# Altium PCB NAVISMINI.PcbDoc (part 2 of 3) (continued)
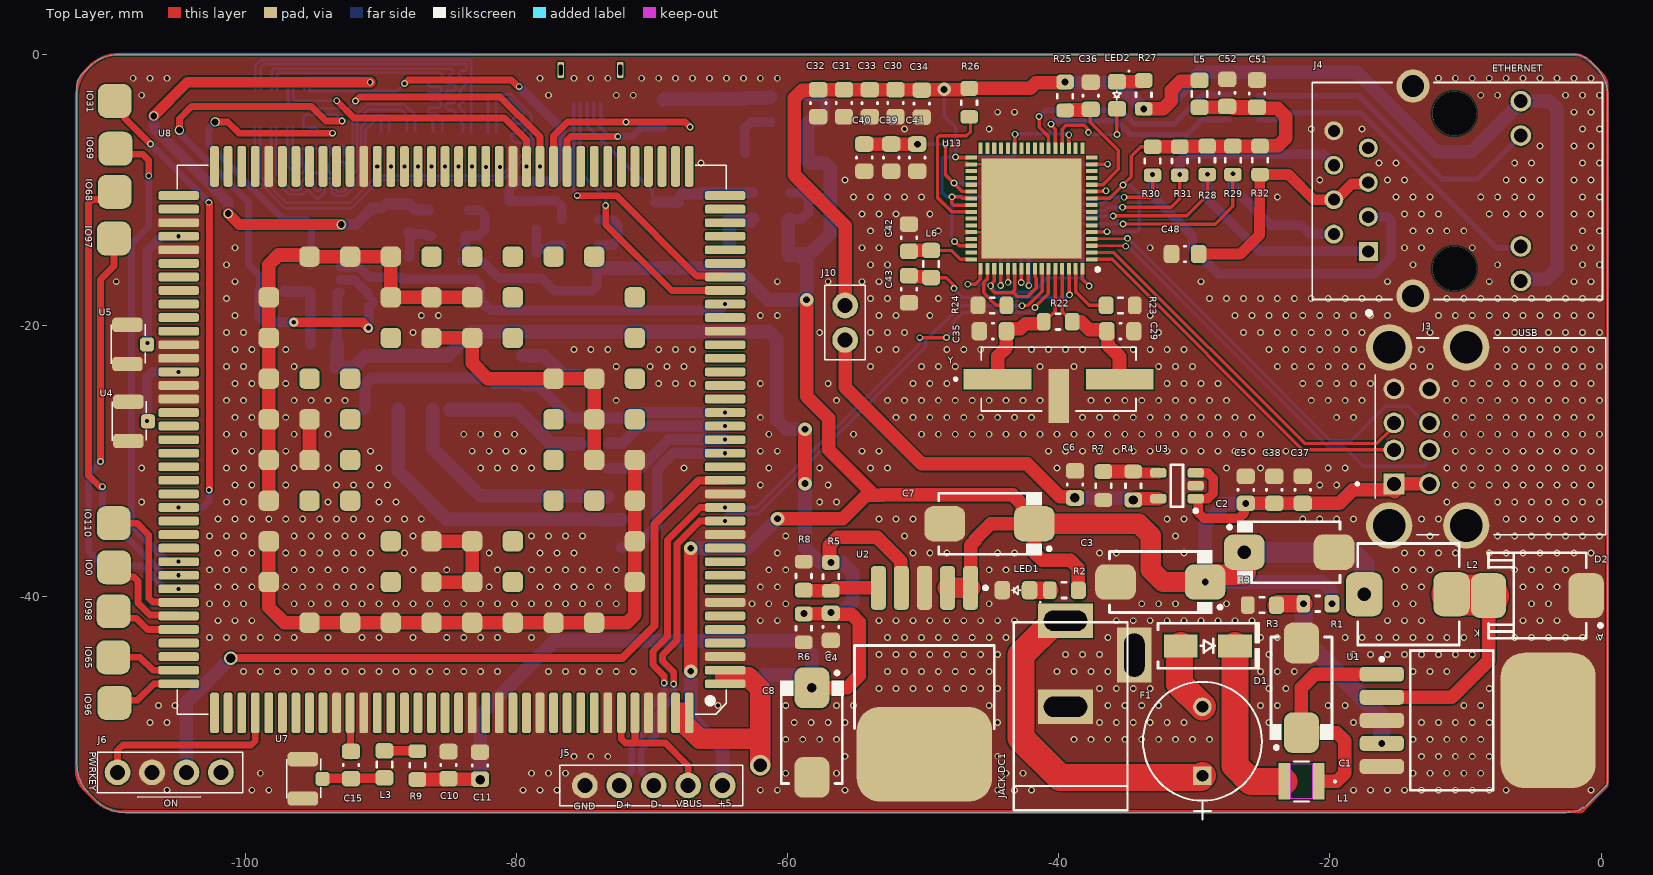
[diagram p0: Top Layer view]
## Nets (pads, with @x,y where several pads share a name; then routed paths per layer and width w, separated by ;. In a path a pad name is that pad's centre, name@x,y a point inside that pad or via, vN(x,y) a via of type N, cw(c..) or ccw(c..) an arc to the next point about the centre after c; other vN are vias at no path point) (continued)
NetD1_2: D1.2 L1.2 | length 12.9
  Top Layer w2: D1.2@-27,-43.6 -27,-52.428 -25.828,-53.6 L1.2@-23.376,-53.6
NetD2_2: D2.2 L2.1 U1.2 | length 16.6
  Top Layer w1: U1.2@-16.175,-47.4 -11,-47.4 -8.3,-44.7 D2.2@-8.3,-39.9
  Top Layer w3: L2.1@-11.025,-39.8 -10.975,-39.85 -8.35,-39.85 D2.2@-8.3,-39.9
NetD3_1: D3.1 L4.2 U10.1 | length 5.8
  Bottom Layer w0.8: D3.1@-97.05,-17.399 -97.05,-17.495 -95.251,-17.495 -95.187,-17.559 L4.2@-95.187,-21.364
NetF1_1: "JACK DC1.1" F1.1 | length 25.1
  Top Layer w2: -39.5,-41.75 -40.262,-41.75 -42.786,-44.274 -42.786,-50.414 -39.9,-53.3 -29.52,-53.3 F1.1@-29.4,-53.18
NetJ4_10: J4.10 R37.2 | length 23.8
  Bottom Layer w0.4: R37.2@-25.279,-4.828 -24.008,-4.828 -23.473,-4.293 -17.691,-4.293 -7.728,-14.256 -6.027,-14.256 J4.10@-5.919,-14.148
NetJ4_11: J4.11 R38.2 | length 23.2
  Bottom Layer w0.4: R38.2@-25.279,-3.028 -17.885,-3.028 -11.731,-9.182 -9.123,-9.182 J4.11@-5.919,-5.978
NetL3_1: L3.1 R9.1 | length 2.5
  Top Layer w0.7: L3.1@-89.723,-51.346 -89.715,-51.354 -87.298,-51.354 R9.1@-87.289,-51.363 R9.1@-87.325,-51.399
NetLED1_1: LED1.1 R2.1 | length 1.5
  Top Layer w1.3: LED1.1@-42.15,-39.5 R2.1@-40.65,-39.5
NetLED2_1: LED2.1 R27.2 | length 2
  Top Layer w1: LED2.1@-35.705,-2.005 -33.924,-2.005 -33.829,-1.91 R27.2@-33.729,-1.91
NetR1_1: R1.1 R3.2 U1.4 | length 14.7
  Top Layer w1.3: R3.2@-23.95,-40.6 -23.85,-40.5 v2(-21.95,-40.5)
  Bottom Layer w1.3: v2(-21.95,-40.5) -21.95,-43.076 -16.175,-48.851 v2(-16.175,-50.8)
NetR4_1: R4.1 R7.2 U3.4 | length 4.1
  Top Layer w0.8: R4.1@-34.35,-30.75 -34.25,-30.85 U3.4@-32.65,-30.85
  Top Layer w1: R7.2@-36.7,-30.75 R4.1@-34.5,-30.75 R4.1@-34.35,-30.75
NetR5_1: R5.1 R8.2 U2.5 | length 5.6
  Top Layer w1: R8.2@-58.8,-39.5 -58.75,-39.55 R5.1@-56.8,-39.55 -56.65,-39.55 -56.426,-39.326 U2.5@-53.299,-39.326
NetR16_1: R16.1 R17.2 U11.4 | length 4.1
  Bottom Layer w0.7: R17.2@-63.1,-7.3 -63.15,-7.25 -63.15,-5.4 R16.1@-63.2,-5.35 -63.05,-5.35 -62.7,-5 U11.4@-61.25,-5
NetR18_1: R18.1 R19.2 U12.4 | length 3.5
  Bottom Layer w1: R18.1@-64.413,-12.282 R18.1@-64.307,-12.282 ; R19.2@-64.257,-13.798 -64.307,-13.748 R18.1@-64.307,-12.282 ; U12.4@-62.571,-12.095 -62.571,-12.145 -62.708,-12.282 R18.1@-64.307,-12.282
NetR23_2: R23.2 U13.63 | length 4.4
  Top Layer w0.25: U13.63@-38.75,-15.8 -38.75,-17.5 -37.75,-18.5 R23.2@-36.5,-18.5
NetR24_1: R24.1 U13.50 | length 3.9
  Top Layer w0.25: U13.50@-45.25,-15.8 -45.25,-16.539 -45.515,-16.804 -45.515,-17.578 -45.035,-18.057 -45.035,-18.068 -44.603,-18.5 R24.1@-43.85,-18.5
NetR26_1: R26.1 U13.41 | length 11.1
  Top Layer w0.25: R26.1@-46.6,-4.6 -46.5,-4.7 -46.5,-5.7 -46.8,-6 -48.789,-6 -48.935,-6.146 -48.935,-10.555 -47.89,-11.6 U13.41@-46.45,-11.6
NetR33_1: R33.1 R35.2 U14.4 | length 3.7
  Bottom Layer w0.7: R33.1@-87.989,-13.112 -87.839,-13.112 -87.689,-13.262 -86.657,-13.262 -86.537,-13.382 U14.4@-86.287,-13.382 ; R35.2@-87.933,-14.94 -87.847,-14.854 R33.1@-87.847,-13.112
NetR34_1: R34.1 R36.2 U15.4 | length 3.7
  Bottom Layer w0.7: R36.2@-78.544,-14.643 -78.544,-14.543 -78.354,-14.353 -77.711,-14.353 -77.43,-14.072 U15.4@-76.65,-14.072 ; R36.2@-78.528,-14.343 -78.528,-12.901 R34.1@-78.512,-12.885
NetTP4_1: IO96.1 U8.110 | length 5.3
  Top Layer w0.5: IO96.1@-109.635,-47.814 -109.436,-47.615 -107.928,-47.615 -106.713,-46.4 U8.110@-104.9,-46.4
NetTP5_1: IO65.1 U8.109 | length 5.2
  Top Layer w0.5: IO65.1@-109.717,-44.45 -107.75,-44.45 -106.8,-45.4 U8.109@-104.9,-45.4
NetTP8_1: IO98.1 U8.106 | length 5.4
  Top Layer w0.5: IO98.1@-109.706,-41.051 -109.19,-41.567 -108.028,-41.567 -107.195,-42.4 U8.106@-104.9,-42.4
NetTP9_1: IO0.1 U8.105 | length 7.2
  Top Layer w0.5: IO0.1@-109.67,-37.817 -108.957,-38.53 -108.189,-38.53 -107.896,-38.823 -107.896,-40.452 -107.023,-41.325 -104.975,-41.325 U8.105@-104.9,-41.4
NetTP10_1: IO110.1 U8.104 | length 9.9
  Top Layer w0.5: IO110.1@-109.682,-34.56 -107.959,-34.56 -107.101,-35.418 -107.101,-40.083 -106.808,-40.376 -104.924,-40.376 U8.104@-104.9,-40.4
NetTP11_1: IO97.1 U8.103 | length 31.6
  Top Layer w0.5: v1(-110.666,-30.02) -110.666,-16.588 -109.673,-15.595 IO97.1@-109.673,-13.565
  Bottom Layer w0.5: v1(-110.666,-30.02) -110.666,-30.077 -111.535,-30.946 -111.535,-34.246 -111.535,-36.049 -111.528,-36.056 -111.528,-36.648 -110.458,-37.718 -107.538,-37.718 -105.856,-39.4 v1(-104.9,-39.4)
NetTP12_1: IO68.1 U8.102 | length 33.2
  Top Layer w0.5: v1(-110.52,-31.867) -110.716,-31.867 -111.541,-31.042 -111.541,-10.973 -111.248,-10.68 -110.17,-10.68 IO68.1@-109.612,-10.122
  Bottom Layer w0.5: v1(-110.52,-31.867) -110.52,-33.812 -105.932,-38.4 v1(-104.9,-38.4)
NetTP13_1: IO31.1 U8.97 | length 34.9
  Top Layer w0.5: IO31.1@-109.612,-3.419 -108.843,-4.188 -108.843,-4.732 v1(-106.979,-6.596) ; v1(-102.676,-10.899) -102.624,-10.951 -102.624,-32.098 v1(-102.645,-32.119)
  Bottom Layer w0.5: v1(-106.979,-6.596) v1(-102.676,-10.899) ; v1(-104.9,-33.4) -103.11,-33.4 -102.645,-32.935 v1(-102.645,-32.119)
NetTP14_1: IO69.1 U8.101 | length 34.8
  Top Layer w0.5: IO69.1@-109.551,-6.943 -109.144,-7.35 -107.551,-7.35 -107.1,-7.801 v1(-107.1,-8.936)
  Bottom Layer w0.5: v1(-107.1,-8.936) -107.1,-12.661 -108.366,-13.927 -108.366,-34.757 -105.723,-37.4 v1(-104.9,-37.4)
NFDX_LED: LED2.2 U13.20 | length 8
  Top Layer w0.25: U13.20@-39.75,-6.9 -39.75,-5.514 -39.464,-5.228 -38.129,-5.228 -37.816,-5.541 v1@-37.816,-5.932 ; v1(-35.705,-5.898) LED2.2@-35.705,-4.005
  Bottom Layer w0.25: v1(-37.816,-5.736) -37.748,-5.736 -37.587,-5.898 v1(-35.705,-5.898)
NLNKA_LED: R37.1 U13.21 | length 16
  Top Layer w0.25: v1(-40.558,-5.137) -40.558,-5.205 -40.25,-5.513 U13.21@-40.25,-6.9
  Bottom Layer w0.4: v1(-40.558,-5.137) -40.531,-5.137 -40.283,-4.889 -35.697,-4.889 -34.69,-5.896 -30.537,-5.896 -29.469,-4.828 R37.1@-27.379,-4.828
NRESET: C36.2 R25.1 U13.12 | length 9.6
  Top Layer w0.25: C36.2@-37.682,-4.089 -37.682,-4.996 -35.605,-7.073 -35.605,-8.474 -36.731,-9.6 U13.12@-37.55,-9.6
  Top Layer w1: R25.1@-39.528,-4.126 -39.232,-4.126 -39.195,-4.089 C36.2@-37.682,-4.089 ; C36.2@-37.532,-4.039 C36.2@-37.457,-4.114
NSPD_LED: R38.1 U13.22 | length 18.2
  Top Layer w0.25: v1(-41.444,-4.578) -41.444,-5.351 -40.75,-6.045 U13.22@-40.75,-6.9
  Bottom Layer w0.4: v1(-41.444,-4.578) -40.961,-4.095 -35.426,-4.095 -34.415,-5.106 -31.513,-5.106 -29.383,-2.976 R38.1@-27.379,-2.976
PWKEY: J6.1 U8.114 | length 14.1
  Top Layer w0.5: J6.1@-109.404,-52.935 -109.404,-51.305 -109.012,-50.913 -99.543,-50.913 -99.25,-50.62 U8.114@-99.25,-48.55
PWM: R15.2 U8.29 U10.4 | length 30.5
  Bottom Layer w0.7: U10.4@-92.996,-15.65 -91.62,-15.65 -90.847,-16.423 -88.524,-16.423 -88.361,-16.586 -83.06,-16.586 -82.65,-16.996 -82.65,-18.117 R15.2@-82.467,-18.3 ; R15.2@-82.467,-18.4 -82.267,-18.6 -82.096,-18.6 -81.857,-18.839 -65.039,-18.839 v1(-64.6,-18.4)
RST_PLL: C18.2 R10.2 U9.C2 | length 22.5
  Bottom Layer w1: U9.C2@-88.71,-26.176 -88.71,-30.691 -85.143,-34.258 C18.2@-74.15,-34.258 -74.1,-34.308 -72.28,-34.308 R10.2@-72.23,-34.258
RXN: J4.6 R31.1 U13.53 | length 32.3
  Top Layer w0.25: U13.53@-43.75,-15.8 -43.737,-15.813 -43.737,-16.783 v1(-43.725,-16.796) ; v1(-35.301,-11.262) -33.615,-11.262 -31.712,-11.262 -31.075,-10.625 v3(-31.075,-8.85)
  Bottom Layer w0.25: v1(-43.725,-16.796) -43.725,-14.325 -40.909,-11.509 -36.609,-11.509 -36.362,-11.262 v1(-35.301,-11.262)
  Bottom Layer w0.7: v3(-31.075,-8.85) -31.075,-7.85 -30.583,-7.358 -20.514,-7.358 J4.6@-19.709,-8.163
RXP: J4.3 R30.1 U13.52 | length 45.4
  Top Layer w0.25: v1(-44.278,-17.028) -44.264,-17.013 -44.264,-15.814 U13.52@-44.25,-15.8 ; v1(-35.17,-10.522) -33.221,-10.522 -33.075,-10.376 R30.1@-33.075,-8.9
  Bottom Layer w0.25: v1(-44.278,-17.028) -44.291,-17.015 -44.291,-14.241 -41.039,-10.989 -36.729,-10.989 -36.262,-10.522 v1(-35.17,-10.522)
  Bottom Layer w0.7: v3@-33.075,-8.9 -33.075,-10.425 -30.155,-13.345 -30.155,-14.262 -28.261,-16.156 -16.685,-16.156 -15.471,-14.942 -15.471,-12.266 -15.764,-11.973 J4.3@-17.169,-11.973
  other v3: -33.075,-8.85
SC_CLK_N: E5.2 U8.52 | length 1.4
  Bottom Layer w0.2: E5.2@-81.477,-7.055 -81.477,-7.554 -81.205,-7.826 v1(-81.205,-8.305)
SC_CLK_P: E5.1 U8.53 | length 1.4
  Bottom Layer w0.2: v1@-82.224,-8.197 v1(-82.224,-8.278) -82.232,-8.27 -82.232,-7.756 -82.077,-7.601 E5.1@-82.077,-7.055
SC_LN0_N: E4.2 U8.54 | length 1.3
  Bottom Layer w0.2: E4.2@-83.36,-6.987 -83.36,-7.718 -83.228,-7.85 -83.228,-8.228 v1(-83.25,-8.25)
SC_LN0_P: E4.1 U8.55 | length 1.4
  Bottom Layer w0.2: v1(-84.25,-8.25) -84.193,-8.193 -84.193,-7.75 -83.96,-7.517 E4.1@-83.96,-6.987
SC_LN1_N: E3.2 U8.56 | length 1.3
  Bottom Layer w0.2: E3.2@-85.458,-6.987 -85.458,-7.486 -85.25,-7.694 v1(-85.25,-8.25)
SC_LN1_P: E3.1 U8.57 | length 1.3
  Bottom Layer w0.2: v1(-86.25,-8.25) -86.228,-8.228 -86.228,-7.7 -86.058,-7.53 E3.1@-86.058,-6.987
SC_LN2_N: E2.2 U8.58 | length 1.4
  Bottom Layer w0.2: E2.2@-87.469,-6.947 -87.469,-7.449 -87.25,-7.668 v1(-87.25,-8.25)
SC_LN2_P: E2.1 U8.59 | length 1.4
  Bottom Layer w0.2: v1(-88.25,-8.25) -88.239,-8.239 -88.239,-7.7 -88.069,-7.53 E2.1@-88.069,-6.947
SC_LN3_N: E1.2 U8.60 | length 1.3
  Bottom Layer w0.2: E1.2@-89.365,-6.984 -89.365,-7.506 -89.25,-7.621 v1(-89.25,-8.25)
SC_LN3_P: E1.1 U8.61 | length 1.4
  Bottom Layer w0.2: v1(-90.25,-8.25) -90.199,-8.199 -90.199,-7.7 -89.965,-7.466 E1.1@-89.965,-6.984
SIM_CLK: R11.1 U8.19 | length 9.5
  Bottom Layer w0.8: R11.1@-73.245,-30.515 -70.88,-30.515 -68.765,-28.4 v1(-64.6,-28.4)
SIM_DATA: R12.1 U8.20 | length 9.2
  Bottom Layer w0.8: R12.1@-73.175,-28.698 -73.113,-28.636 -72.136,-28.636 -70.9,-27.4 v1@-64.5,-27.4
  other v1: -64.6,-27.4
SIM_RST: R10.1 U8.18 | length 12.7
  Bottom Layer w0.8: R10.1@-72.23,-36.358 -72.166,-36.294 -71.194,-36.294 -69.6,-34.7 -69.6,-30.6 -68.4,-29.4 -64.861,-29.4
  other v1: -64.6,-29.4
TP_1V8: C24.2 R16.2 R20.2 R21.2 U11.5 | length 8.1
  Bottom Layer w1: R21.2@-69.175,-3.371 R21.2@-69.125,-3.321 -69.114,-3.31 -65.21,-3.31 C24.2@-65.2,-3.3 -65.15,-3.25 R16.2@-63.2,-3.25 -63.15,-3.2 -61.35,-3.2 U11.5@-61.25,-3.1 ; R20.2@-67.175,-3.298 R20.2@-67.125,-3.248
TP_2V8: C26.2 C27.2 C28.2 J2.3 R18.2 U12.5 | length 16.6
  Bottom Layer w0.25: J2.3@-74.774,-3.594 -74.775,-3.595 -74.775,-5.264 -69.955,-10.084 -69.955,-10.666 C28.2@-69.755,-10.866
  Bottom Layer w0.8: C28.2@-69.755,-10.866 -68.066,-10.866 C27.2@-68.027,-10.905 ; C27.2@-67.925,-10.449 -67.767,-10.29 -66.371,-10.29 C26.2@-66.213,-10.132 -66.188,-10.157 -64.438,-10.157 R18.2@-64.413,-10.182 -64.406,-10.188 -62.577,-10.188 U12.5@-62.571,-10.195
TP_INT: J2.2 U8.30 | length 20.5
  Top Layer w0.5: v1(-73.408,-11.14) -73.408,-12.524 -68.532,-17.4 U8.30@-64.6,-17.4
  Bottom Layer w0.25: J2.2@-75.274,-3.594 -75.274,-8.712 -73.408,-10.578 v1(-73.408,-11.14)
TP_RST: J2.1 U8.31 | length 20.3
  Top Layer w0.5: v1(-75.504,-10.405) -72.616,-10.405 -66.696,-16.325 -64.675,-16.325 U8.31@-64.6,-16.4
  Bottom Layer w0.25: J2.1@-75.774,-3.594 -75.761,-3.607 -75.761,-10.134 -75.504,-10.391 v1(-75.504,-10.405)
TP_SCL: J2.4 R21.1 U8.47 | length 13
  Top Layer w0.5: U8.47@-76.25,-8.25 -76.25,-6.344 -75.957,-6.051 v1(-72.51,-6.051)
  Bottom Layer w0.25: J2.4@-74.274,-3.594 -74.274,-4.885 -73.108,-6.051 v1(-72.51,-6.051)
  Bottom Layer w0.5: v1(-72.51,-6.051) -71.427,-6.051 -70.797,-5.421 R21.1@-69.125,-5.421
TP_SDA: J2.5 R20.1 U8.48 | length 16
  Top Layer w0.5: U8.48@-77.25,-8.25 -77.25,-6 -76.224,-4.974 v1(-71.902,-4.974) -71.898,-4.978 -67.545,-4.978 v1(-67.175,-5.348)
  Bottom Layer w0.25: J2.5@-73.774,-3.594 -73.774,-4.598 -73.35,-5.022 -71.95,-5.022 v1(-71.902,-4.974)
TXN: J4.2 R29.1 U13.56 | length 32.4
  Top Layer w0.25: U13.56@-42.25,-15.8 -42.25,-16.924 -42.2,-16.974 v1(-42.2,-17.042) ; v1(-35.26,-12.496) -31.791,-12.496 -31.786,-12.501 -28.451,-12.501 -27.15,-11.2 R29.1@-27.15,-8.85
  Bottom Layer w0.25: v1(-42.2,-17.042) -42.175,-17.017 -42.175,-14.475 -40.196,-12.496 v1(-35.26,-12.496)
  Bottom Layer w0.7: v3@-27.15,-8.85 -27.15,-9.807 -24.377,-12.58 -22.141,-12.58 -21.478,-13.243 J4.2@-19.709,-13.243
  other v3: -27.15,-8.8
TXP: J4.1 R28.1 U13.55 | length 35.9
  Top Layer w0.25: v1@-42.775,-16.817 v1(-42.763,-16.805) -42.763,-15.813 U13.55@-42.75,-15.8 ; v1@-36.047,-11.897 v1(-35.979,-11.897) -30.547,-11.897 -29,-10.35 -29,-8.85 R28.1@-29.05,-8.8
  Bottom Layer w0.25: v1@-42.775,-16.817 -42.775,-14.275 -40.428,-11.928 -36.01,-11.928 v1(-35.979,-11.897)
  Bottom Layer w0.7: v3@-29.05,-8.8 -29.05,-10.607 -25.144,-14.513 J4.1@-17.169,-14.513
  other v3: -29.025,-8.825
USB_D2_N: J3.2 U13.1 | length 28.4
  Top Layer w0.25: U13.1@-37.55,-15.1 -36.059,-15.1 -22.028,-29.132 -18.98,-29.132 -16.381,-29.132 -16.296,-29.132 -15.828,-29.132 J3.2@-15.23,-29.73
USB_D2_P: J3.3 U13.2 | length 28.5
  Top Layer w0.25: U13.2@-37.55,-14.6 -36.936,-14.6 -35.923,-14.6 -21.841,-28.682 -19.166,-28.682 -16.528,-28.682 -15.559,-27.713 J3.3@-15.247,-27.713
USB_D3_N: J3.6 U13.3 | length 32.1
  Top Layer w0.2: U13.3@-37.55,-14.1 -35.093,-14.1 v1(-35.054,-14.139)
  Bottom Layer w0.25: v1@-34.986,-14.139 -34.861,-14.264 -34.804,-14.264 -27.664,-21.404 ; -27.664,-21.404 -20.113,-28.955 -18.956,-28.955 -17.55,-30.361 -13.046,-30.361 -12.9,-30.215 -12.9,-29.752 -12.878,-29.73 J3.6@-12.61,-29.73
USB_D3_P: J3.7 U13.4 | length 32.9
  Top Layer w0.2: U13.4@-37.55,-13.6 -37.526,-13.576 -34.949,-13.576 v1(-34.925,-13.553)
  Bottom Layer w0.25: v1(-34.925,-13.553) -34.879,-13.553 -27.214,-21.218 -19.927,-28.505 -18.471,-28.505 -16.695,-26.729 -15.907,-25.941 -14.221,-25.941 -13.384,-26.778 J3.7@-12.61,-27.552
USB_D_N: J5.3 U8.13 U13.58 | length 56.7
  Top Layer w0.25: v1(-42.713,-18.525) -42.694,-18.506 -42.266,-18.506 -41.659,-17.899 -41.225,-17.465 -41.225,-16.15 -41.225,-15.825 U13.58@-41.25,-15.8
  Top Layer w0.5: v1(-68.393,-46.415) -68.393,-45.542 -69.22,-44.715 -69.22,-44.294 -68.145,-43.219 -68.145,-36.081 -66.464,-34.4 v1(-64.6,-34.4)
  Bottom Layer w0.25: v1(-64.6,-34.4) -64.595,-34.395 -64.595,-34.021 -64.448,-33.875 -62.143,-33.875 -49.809,-21.541 -49.809,-21.119 -47.215,-18.525 v1(-42.713,-18.525)
  Bottom Layer w0.5: J5.3@-69.863,-53.9 -69.863,-53.827 -70.783,-52.907 -70.783,-51.267 -69.738,-50.222 -69.738,-48.777 -68.393,-47.432 v1(-68.393,-46.415)
USB_D_P: J5.4 U8.14 U13.59 | length 58.4
  Top Layer w0.25: v1(-50.245,-20.877) -50.241,-20.873 -48.278,-20.873 v1(-48.273,-20.868) ; v1(-41.744,-18.656) -41.744,-18.62 -41.472,-18.349 -40.775,-17.652 -40.775,-15.825 U13.59@-40.75,-15.8
  Top Layer w0.5: v1(-69.093,-46.355) -69.093,-45.832 -69.92,-45.005 -69.92,-44.004 -68.845,-42.929 -68.845,-35.792 -66.453,-33.4 v1(-64.6,-33.4)
  Bottom Layer w0.25: v1(-64.6,-33.4) -64.575,-33.425 -62.329,-33.425 -50.259,-21.355 -50.259,-20.891 v1(-50.245,-20.877) ; v1(-48.273,-20.868) -48.273,-20.837 -47.846,-20.411 -47.846,-19.802 -47.446,-19.401 -47.446,-19.393 -47.076,-19.023 -42.507,-19.023 -42.164,-19.023 -41.797,-18.656 v1(-41.744,-18.656)
  Bottom Layer w0.5: J5.4@-72.403,-53.9 -72.403,-53.827 -71.483,-52.907 -71.483,-50.977 -70.438,-49.932 -70.438,-48.487 -69.093,-47.142 v1(-69.093,-46.355)
USB_ID: J6.3 U8.16 | length 56.1
  Top Layer w0.6: v4(-101.059,-44.514) -72.181,-44.514 -69.793,-42.126 -69.793,-34.635 -66.558,-31.4 U8.16@-64.6,-31.4
  Bottom Layer w1: J6.3@-104.324,-52.935 -104.324,-47.779 v4(-101.059,-44.514)
USB_PLL: C43.2 L6.2 U13.62 | length 14.5
  Top Layer w0.25: L6.2@-49.41,-16.447 -48.302,-16.447 -47.765,-16.984 -47.765,-17.191 v1(-47.717,-17.239) ; U13.62@-39.25,-15.8 -39.226,-15.824 -39.226,-17.692 v1(-39.201,-17.717)
  Top Layer w1: C43.2@-51.045,-16.308 -50.976,-16.378 -49.546,-16.378 L6.2@-49.473,-16.451
  Bottom Layer w0.25: v1@-47.71,-17.313 -47.123,-17.9 -39.452,-17.9 -39.269,-17.717 v1(-39.201,-17.717)
USB_VBUS: J5.2 U8.141 U8.142 | length 11.4
  Top Layer w0.5: U8.141@-72.25,-48.55 -72.25,-50.481 -71.957,-50.774 -71.252,-50.774 ; U8.142@-71.25,-48.55 -71.25,-50.772 -71.252,-50.774 ; J5.2@-67.323,-53.9 -67.323,-52.446 -68.995,-50.774 -71.252,-50.774
V_LAN: C30.2 C31.2 C32.2 C33.2 C34.2 J4.9 J4.12 J10.1 L5.1 R25.2 R26.2 R27.1 U13.11 U13.19 U13.27 U13.33 U13.39 U13.40 U13.46 | length 143.8
  Top Layer w0.25: v1@-47.685,-13.813 -47.617,-13.813 -47.33,-14.1 U13.46@-46.45,-14.1 ; v1@-47.627,-7.572 -47.599,-7.6 U13.33@-46.45,-7.6 ; U13.40@-46.45,-11.1 -47.726,-11.1 -47.872,-10.954 v1(-47.872,-10.493) -47.208,-10.493 -47.101,-10.6 U13.39@-46.45,-10.6 ; U13.27@-43.25,-6.9 -43.236,-6.886 -43.236,-5.893 v1(-43.221,-5.878) ; U13.19@-39.25,-6.9 v1(-39.251,-5.917) ; U13.11@-37.55,-10.1 -36.627,-10.1 -36.57,-10.043 v1(-36.502,-10.043)
  Top Layer w1: J10.1@-55.746,-18.505 -55.746,-12.617 -59.486,-8.877 -59.486,-3.206 -58.9,-2.621 -57.767,-2.621 C32.2@-57.732,-2.586 C31.2@-55.832,-2.586 C33.2@-53.932,-2.586 C30.2@-52.032,-2.586 -52.015,-2.602 -50.176,-2.602 -50.131,-2.648 -50.067,-2.584 -48.456,-2.584 v2(-48.447,-2.575) -48.438,-2.584 -47.016,-2.584 -46.982,-2.55 -46.65,-2.55 R26.2@-46.6,-2.5 -42.103,-2.5 -41.678,-2.075 -39.577,-2.075 v2(-39.528,-2.026) R25.2@-39.528,-2.076 ; v2(-33.729,-4.01) -32.307,-4.01 -31.684,-3.387 -31.684,-2.63 -31.026,-1.972 -29.68,-1.972 L5.1@-29.61,-1.902
  Bottom Layer w0.25: v2(-48.447,-2.575) -48.447,-4.56 -47.597,-5.41 -47.597,-7.542 v1@-47.605,-7.55 ; v1@-47.685,-13.813 -47.685,-13.745 -47.872,-13.558 v1(-47.872,-10.493) ; v1(-39.251,-5.917) -39.299,-5.869 -39.476,-5.869 -39.491,-5.854 -43.104,-5.854 -43.25,-6 -43.25,-7.408 -43.396,-7.554 -45.85,-7.554 -45.854,-7.55 v1@-47.605,-7.55 ; v1(-36.502,-10.043) -39.243,-10.043 -39.693,-10.493 v1(-47.872,-10.493) ; v1(-47.872,-10.493) -48.264,-10.493 -48.605,-10.152 -48.605,-7.718 -48.459,-7.572 -47.627,-7.572 v1@-47.605,-7.55
  Bottom Layer w1: v2@-39.528,-2.076 -35.663,-2.076 v2(-33.729,-4.01) -32.323,-4.01 -32.188,-3.875 -32.155,-3.875 -29.594,-1.314 -17.994,-1.314 -12.131,-7.177 -9.558,-7.177 -5.919,-3.538 J4.12@-5.919,-3.438 -3.807,-3.438 -3.221,-4.024 -3.221,-15.771 -4.037,-16.587 -5.818,-16.587 J4.9@-5.919,-16.688
  other v1: -47.685,-13.779 -47.601,-7.546
VBAT_BB: C4.2 C8.1 C9.1 C10.2 C11.2 C12.2 C13.2 C14.2 C20.2 L4.1 R5.2 R6.2 R9.2 U2.4 U8.1 U8.2 U8.145 U8.146 U10.6 | length 152.7
  Top Layer w0.5: U8.145@-68.25,-48.55 -67.75,-48.55
  Top Layer w1: R9.2@-87.289,-53.463 -85.228,-53.463 -85.097,-53.332 -84.997,-53.332 C10.2@-84.988,-53.342 ; C10.2@-84.998,-53.398 -84.957,-53.439 -82.72,-53.439 v4(-82.672,-53.487) ; R6.2@-58.925,-41.225 v2(-58.775,-41.225) -56.825,-41.225 C4.2@-56.8,-41.2 ; v2(-58.707,-31.64) v2(-58.707,-27.633) ; v4(-58.2,-46.695) -55.595,-46.695 -54.7,-45.8 -54.7,-41.861 -55.286,-41.275 -56.675,-41.275 v2(-56.8,-41.15) ; R5.2@-56.7,-37.45 v2(-56.8,-37.45) -56.85,-37.45 -56.9,-37.4 -56.9,-36.186 -56.314,-35.6 -53.4,-35.6 -51.649,-37.351 -51.649,-39.276 U2.4@-51.599,-39.326
  Top Layer w1.5: -67.75,-48.55 -67.75,-49.193 -66.484,-50.459 -62.008,-50.459 ; -64.6,-45.9 -62.887,-45.9 -62.008,-46.779 -62.008,-50.459 ; v6(-62.008,-52.413) -62.008,-50.459
  Bottom Layer w0.7: L4.1@-93.187,-21.364 -93.187,-17.555 -93.001,-17.555 U10.6@-92.996,-17.55
  Bottom Layer w1: L4.1@-93.187,-21.364 -93.187,-22.589 -93.219,-22.621 -93.219,-22.995 C20.2@-93.294,-23.07 -91.962,-23.07 -91.106,-22.214 -85.059,-22.214 -83.294,-20.449 -61.371,-20.449 -60.785,-21.035 -60.785,-26.935 -60.087,-27.633 v2(-58.707,-27.633) ; v4@-82.672,-53.401 -82.672,-48.724 -77.172,-43.224 -59.156,-43.224 -58.2,-44.18 C9.1@-58.2,-46.576 ; v6(-62.008,-52.413) -62.008,-52.278 -61.7,-51.97 C14.2@-61.7,-49.4 C12.2@-61.7,-47.4 C13.2@-61.7,-45.7 -61.652,-45.748 -59.028,-45.748 C9.1@-58.2,-46.576 ; v2(-58.707,-31.64) -58.707,-36.372 -57.629,-37.45 v2(-56.8,-37.45) -55.976,-37.45 -55.201,-38.225 -55.201,-40.375 -55.976,-41.15 v2(-56.8,-41.15) ; v4(-58.2,-46.695) C9.1@-58.2,-46.576
VCC_RF: C15.1 L3.2 U7.S | length 4.6
  Top Layer w0.7: U7.S@-94.257,-53.357 -94.239,-53.375 -92.2,-53.375 C15.1@-92.182,-53.393 -92.158,-53.369 -89.747,-53.369 L3.2@-89.723,-53.346
VDD_1V8: C39.2 C40.2 C41.2 U13.15 U13.38 | length 23.7
  Top Layer w0.25: v1(-48.348,-6.642) -48.348,-8.863 -47.111,-10.1 U13.38@-46.45,-10.1 ; U13.15@-37.55,-8.1 -37.542,-8.092 -36.393,-8.092 v1(-36.385,-8.084)
  Top Layer w1: C40.2@-54.333,-6.6 C39.2@-52.35,-6.6 C41.2@-50.433,-6.6
  Bottom Layer w0.25: v2@-50.433,-6.6 v2(-50.412,-6.621) -48.369,-6.621 v1(-48.348,-6.642) ; v1(-47.729,-9.481) -40.181,-9.481 -38.8,-8.1 -36.401,-8.1 v1(-36.385,-8.084)
VDD_SIM: C19.2 R13.2 U8.21 U9.C1 | length 30
  Bottom Layer w0.8: U9.C1@-91.25,-26.176 -91.15,-26.076 -91.15,-24.311 -90.681,-23.842 -82.09,-23.842 -81.693,-24.239 C19.2@-81.593,-24.239 -81.561,-24.271 -79.539,-24.271 R13.2@-79.507,-24.303 -79.357,-24.453 -78.362,-24.453 -76.017,-26.798 -71.969,-26.798 -71.571,-26.4 v1(-64.6,-26.4)
VETH: C51.2 C52.2 L5.2 R28.2 R29.2 R30.2 R31.2 R32.2 U13.5 U13.10 U13.49 U13.51 U13.54 U13.57 U13.64 | length 61.5
  Top Layer w0.25: v1(-46.705,-16.939) -46.145,-16.939 -45.775,-16.569 U13.49@-45.775,-16.075 ; U13.49@-45.75,-16.075 U13.49@-45.75,-15.8 ; v1(-45.017,-17.048) -45.017,-16.981 -44.75,-16.714 U13.51@-44.75,-15.8 ; -44.969,-17.315 -44.721,-17.563 -43.329,-17.563 ; U13.54@-43.25,-15.8 -43.25,-17.35 -43.396,-17.496 -43.05,-17.842 -42.285,-17.842 -41.647,-17.204 -41.647,-16.514 -41.725,-16.436 -41.725,-15.825 U13.57@-41.75,-15.8 ; U13.64@-38.25,-15.8 -38.25,-16.564 v1(-37.75,-17.064) ; U13.5@-37.55,-13.1 -37.533,-13.083 -36.455,-13.083 v1(-36.437,-13.065) ; U13.10@-37.55,-10.6 -36.224,-10.6 -35.266,-9.642 v1(-35.266,-9.615) -34.65,-8.999 -34.65,-7.5 -33.95,-6.8 R30.2@-33.075,-6.8
  Top Layer w1: R30.2@-33.075,-6.8 R31.2@-31.075,-6.8 -31.05,-6.775 -29.075,-6.775 R28.2@-29.05,-6.75 -27.2,-6.75 -27.175,-6.775 R29.2@-27.15,-6.75 R32.2@-25.15,-6.75 -25.138,-6.738 -23.842,-6.738 -23.256,-6.153 -23.256,-4.562 -23.842,-3.976 C52.2@-27.119,-3.976 ; L5.2@-29.61,-3.902 -27.749,-3.902 -27.649,-3.802 -27.649,-3.752 C52.2@-27.574,-3.827 -27.547,-3.854 -25.4,-3.854 C51.2@-25.374,-3.88
  Bottom Layer w0.25: v1(-46.705,-16.939) -45.194,-16.939 -45.085,-17.048 v1(-45.017,-17.048) -44.548,-17.517 -41.872,-17.517 -40.83,-16.475 -38.25,-16.475 ; v1(-37.75,-17.064) -37.75,-17.003 -38.25,-16.503 -38.25,-16.475 ; v1(-35.266,-9.615) -34.75,-9.615 -34.349,-10.016 -34.058,-10.307 -34.058,-12.919 -34.204,-13.065 v1(-36.437,-13.065) -37.865,-13.065 -38.25,-13.45 -38.25,-16.475
X0: C35.1 R22.1 U13.60 Y.1 | length 11.2
  Top Layer w0.25: R22.1@-41.1,-19.7 -41.1,-19.618 -40.735,-19.252 -40.57,-19.252 -40.258,-18.94 -40.258,-15.808 U13.60@-40.25,-15.8
  Top Layer w1: Y.1@-44.501,-23.937 -44.501,-22.251 -43.852,-21.601 -43.852,-20.575 -43.85,-20.573 C35.1@-43.85,-20.4 ; C35.1@-43.852,-20.302 -43.775,-20.225 -42.825,-20.225 -42.45,-19.85 -41.1,-19.85 R22.1@-41.1,-19.7
X1: C29.1 R22.2 U13.61 Y.2 | length 12.2
  Top Layer w0.25: U13.61@-39.75,-15.8 -39.75,-18.95 -39.525,-19.175 -39.506,-19.175 -39,-19.681 R22.2@-39,-19.7
  Top Layer w1: R22.2@-39,-19.7 -38.336,-19.7 -37.75,-20.286 -36.525,-20.286 -36.45,-20.361 -36.45,-20.5 C29.1@-36.45,-20.4 -36.375,-20.475 -36.375,-21.412 -35.514,-22.273 -35.514,-23.687 -34.963,-23.687 Y.2@-34.495,-24.155
pads on no net: J2.0 J4. J4.7 J6.4 U8.4 U8.5 U8.6 U8.8 U8.9 U8.10 U8.11 U8.17 U8.22 U8.23 U8.24 U8.25 U8.26 U8.28 U8.32 U8.33 U8.34 U8.35 U8.36 U8.37 U8.38 U8.39 U8.40 U8.41 U8.42 U8.43 U8.44 U8.45 U8.46 U8.63 U8.64 U8.65 U8.66 U8.67 U8.68 U8.70 U8.71 U8.72 U8.73 U8.74 U8.75 U8.79 U8.80 U8.81 U8.82 U8.83 U8.84 U8.90 U8.91 U8.92 U8.93 U8.94 U8.95 U8.96 U8.98 U8.99 U8.100 U8.107 U8.108 U8.111 U8.112 U8.113 U8.115 U8.116 U8.117 U8.118 U8.119 U8.123 U8.124 U8.125 U8.126 U8.127 U8.128 U8.129 U8.131 U8.133 U8.134 U8.136 U8.137 U8.138 U8.139 U8.151 U8.152 U8.153 U8.154 U8.155 U8.156 U8.157 U8.158 U8.159 U8.179 U8.183 U8.187 U8.190 U8.191 U8.194 U8.195 U8.196 U8.197 U8.199 U8.202 U8.203 U8.204 U8.205 U8.206 U8.207 U8.210 U9.C6 U13.6 U13.7 U13.8 U13.9 U13.13 U13.14 U13.16 U13.17 U13.18 U13.23 U13.24 U13.25 U13.26 U13.28 U13.29 U13.30 U13.31 U13.32 U13.35 U13.36 U13.37 U13.42 U13.43 U13.45 U13.47
copper on no net: | length 664.6
  Top Layer w0.2: 0.461,-2.34 ccw(c-0.857,-2.34) 0.461,-2.337 ; 0.461,-2.151 0.461,-2.337 ; 0.461,-2.337 ccw(c-0.857,-2.34) 0.075,-1.408 -0.85,-0.483 ccw(c-2.069,-1.702) -2.069,0.022 -109.301,0.022 ccw(c-109.301,-3.044) -111.469,-0.876 -111.542,-0.949 ccw(c-109.374,-3.117) -112.44,-3.117 -112.44,-52.877 ccw(c-110.672,-52.877) -111.922,-54.127 -111.079,-54.97 ccw(c-109.006,-52.898) -109.006,-55.829 -1.42,-55.829 0.461,-53.886 0.461,-53.78 0.461,-2.337
  Bottom Layer w0.2: -112.468,-52.481 ccw(c-109.73,-52.481) -111.666,-54.417 -111.137,-54.946 ccw(c-108.969,-52.778) -108.969,-55.844 -2.418,-55.844 ccw(c-2.418,-53.475) -0.743,-55.15 0.344,-54.063 ccw(c0.061,-53.78) 0.461,-53.78 0.461,-3.064 ccw(c-2.605,-3.064) -0.437,-0.896 ccw(c-2.576,-2.907) -2.576,0.029 -83.244,0.029 -83.256,0.041 -109.254,0.041 ccw(c-109.254,-3.087) -111.57,-0.985 ccw(c-109.402,-3.153) -112.468,-3.153 -112.468,-52.481

## Polygon pours and split planes (outlines as drawn)
GND on Top Layer "GND_L01_P000" (solid, pour order 0): -111.502,-54.498 cw(c-109.334,-52.33) -112.4,-52.33 -112.4,-2.37 cw(c-111.024,-2.37) -111.997,-1.397 -111.498,-0.898 cw(c-109.33,-3.066) -109.33,0 -2.007,0 cw(c-2.007,-1.707) -0.8,-0.5 -0.398,-0.902 cw(c-2.566,-3.07) 0.5,-3.07 0.5,-53.517 cw(c-0.183,-53.517) 0.3,-54 -0.914,-55.214 cw(c-2.57,-53.558) -2.57,-55.9 -108.83,-55.9 cw(c-108.83,-52.834) -110.998,-55.002
GND on Bottom Layer "GND_L02_P001" (solid, pour order 1): -111.502,-54.498 cw(c-109.334,-52.33) -112.4,-52.33 -112.4,-2.37 cw(c-111.024,-2.37) -111.997,-1.397 -111.498,-0.898 cw(c-109.33,-3.066) -109.33,0 -2.007,0 cw(c-2.007,-1.707) -0.8,-0.5 -0.398,-0.902 cw(c-2.566,-3.07) 0.5,-3.07 0.5,-53.517 cw(c-0.183,-53.517) 0.3,-54 -0.914,-55.214 cw(c-2.57,-53.558) -2.57,-55.9 -108.83,-55.9 cw(c-108.83,-52.834) -110.998,-55.002

## Silkscreen, mask and mechanical layers (free items; w line width, h text height)
Top Overlay:
  lines w0.1: -107.952,-54.764 -103.256,-54.748
  text "ETHERNET" at -8.015,-1.275 h0.5
  text "USB" at -6.124,-20.78 h0.5
  text "R3" at -24.705,-42.227 h0.5
  text "PWRKEY" at -111.491,-51.403 h0.5 r270
  text "ON" at -105.99,-55.483 h0.5
  text "+5" at -65.124,-55.477 h0.5
  text "VBUS" at -68.2,-55.516 h0.5
  text "D-" at -70.1,-55.556 h0.5
  text "D+" at -72.622,-55.582 h0.5
  text "GND" at -75.757,-55.695 h0.5